# Altium PCB LOGTURTLE_APR_25_TX.PcbDoc (part 2 of 5)
Units mm, origin at the board's own origin, x right, y up, seen from the top; angles counter-clockwise.
Board outline 161.1 x 125.7 mm, 6 copper layers (Top Layer, Mid-Layer 1, Mid-Layer 2, Mid-Layer 3, Mid-Layer 4, Bottom Layer), stack 1.771 mm thick; 253 components, 174 nets, 811 pads, 5842 vias.
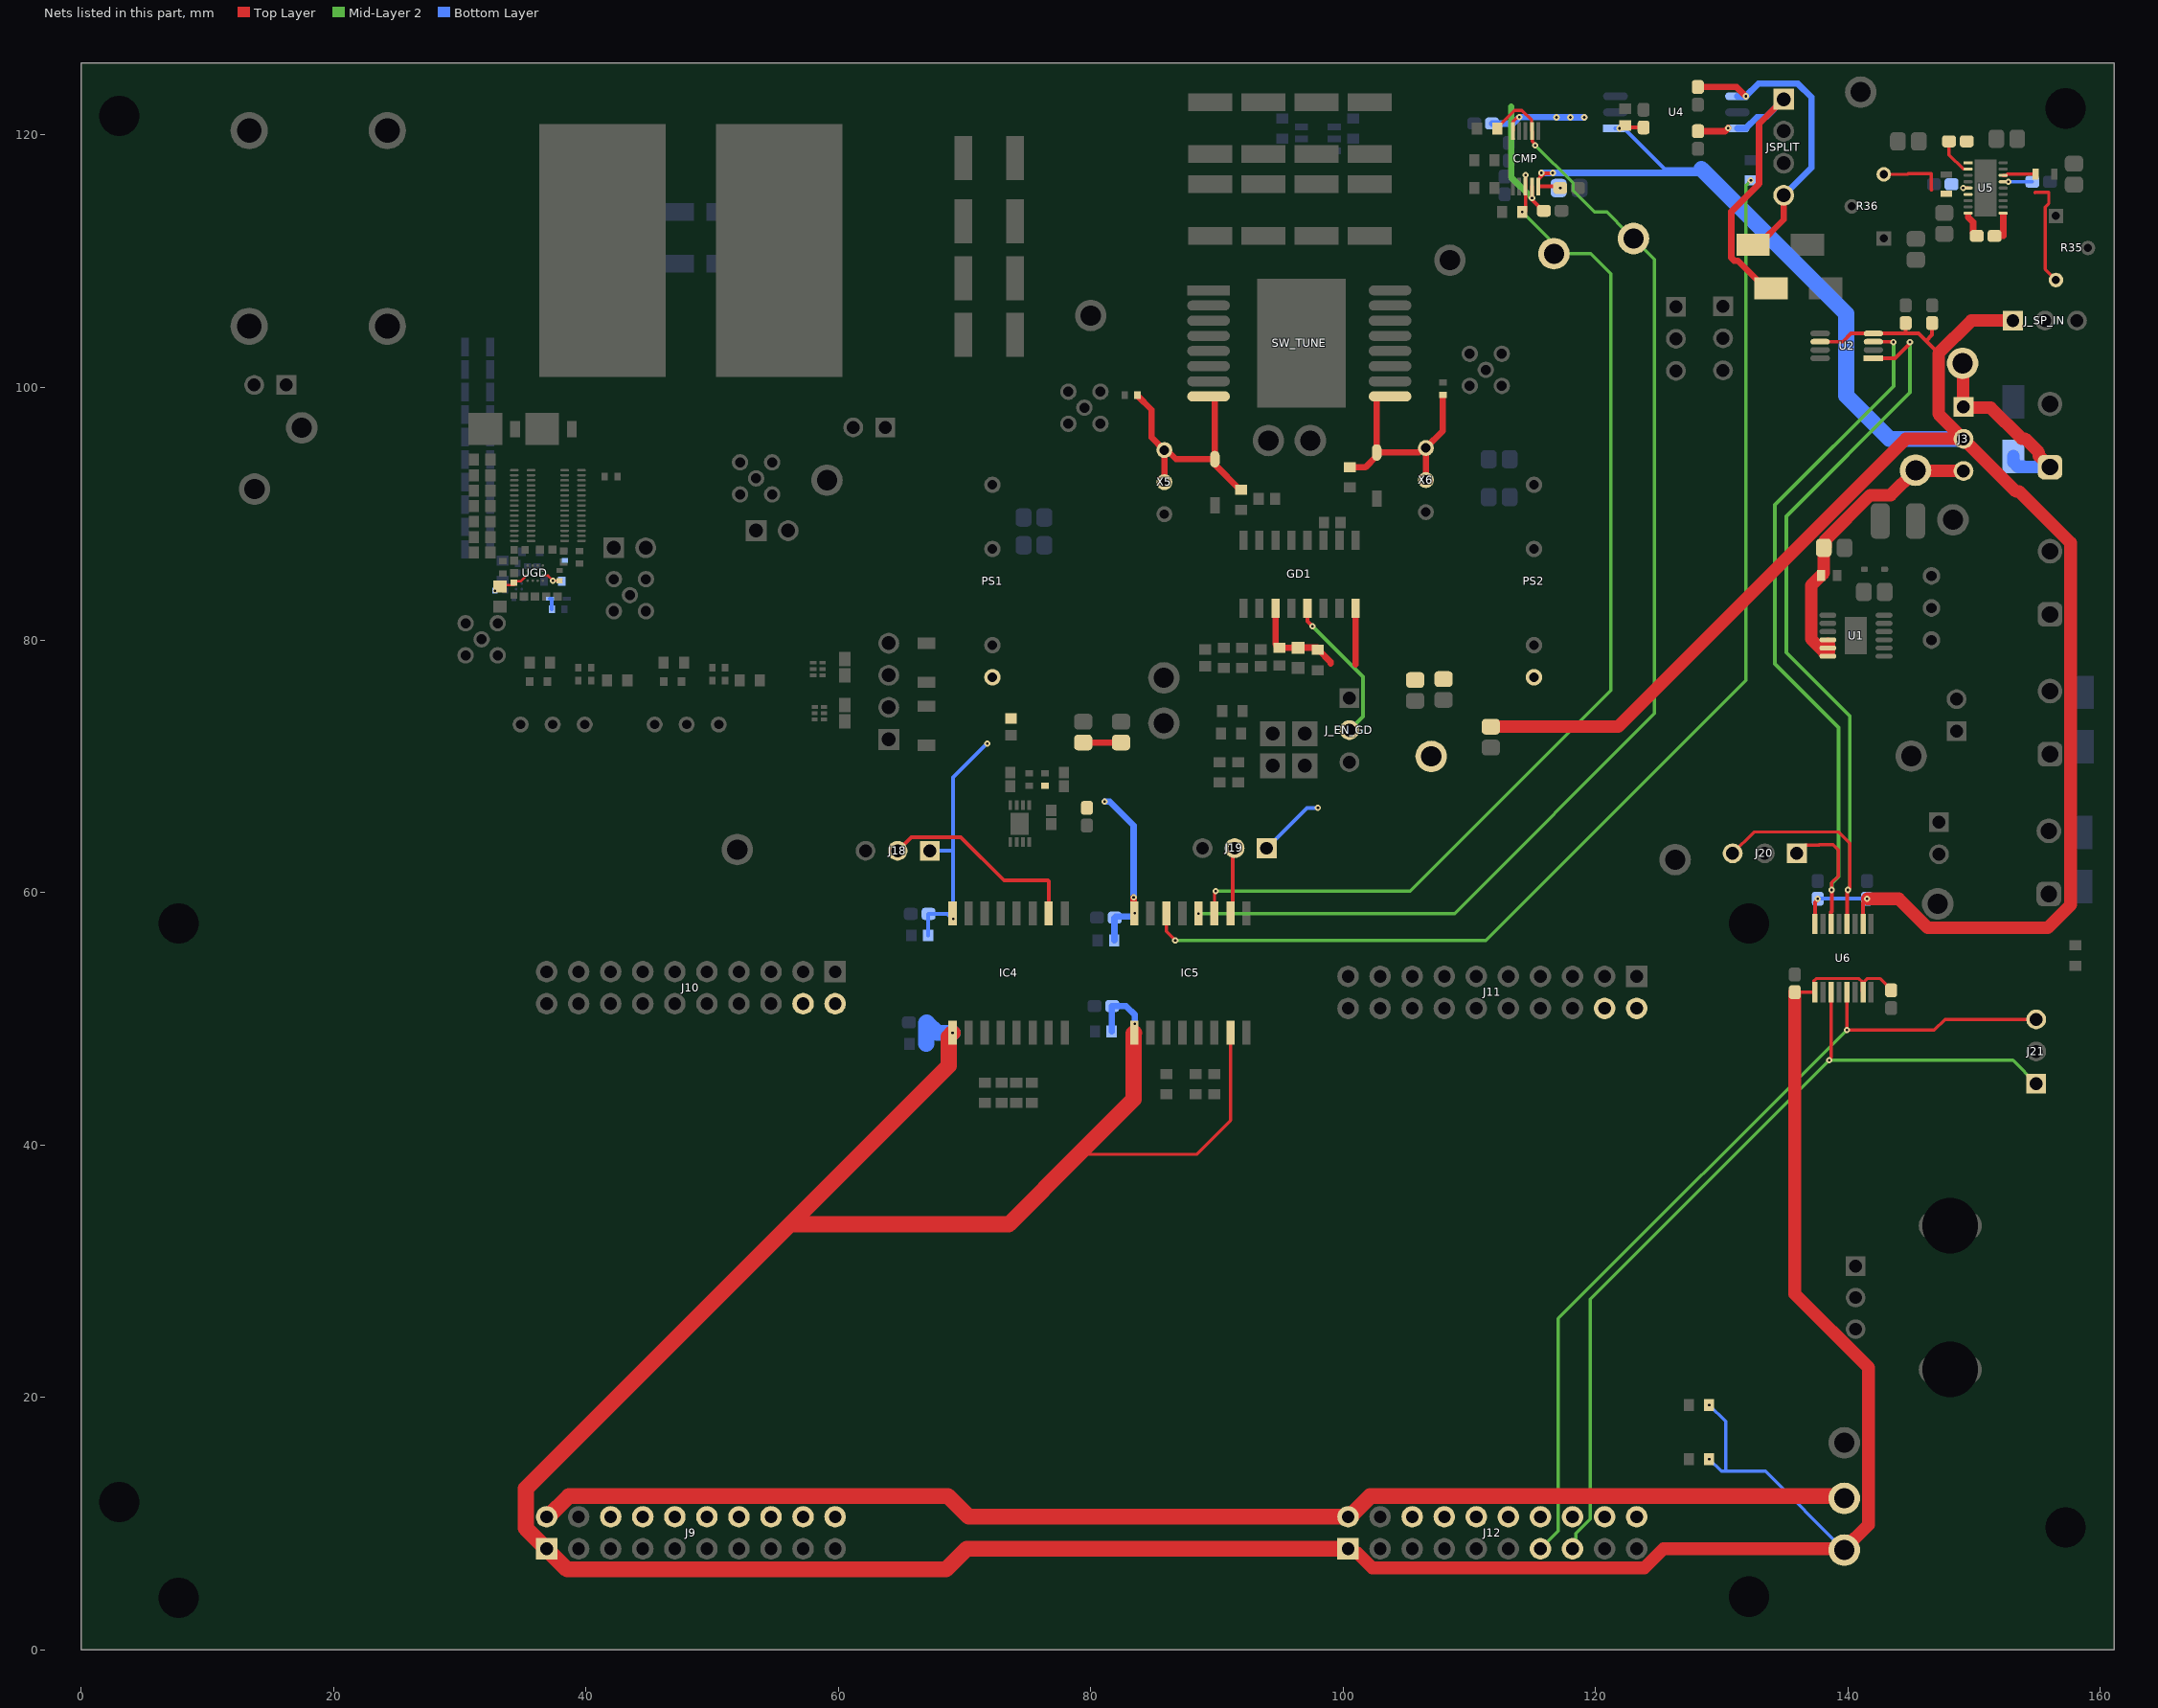
[diagram p6: the nets of this part, all layers, seen from the top]

## Part data (continued)
R9 R38 R48 R53: "Resistor, 10 kOhms ±1% 0.1W, 1/10W Chip Resistor 0603 (1608 Metric) Moisture Resistant Thick Film", Manufacturer_Name=YAGEO, Arrow Part Number=RC0603FR0710KL, Arrow Price/Stock=https://www.arrow.com/en/products/rc0603fr-0710kl/yageo, Datasheet Link=http://www.yageo.com/documents/recent/PYu-RC0603_51_RoHS_L_v5.pdf, Height=0.55mm, Manufacturer_Part_Number=RC0603FR0710KL
R10 R12 R16 R18 R20 R22 R27 R29 R31 R32 R54 R55: library part CMP-26527-007617-1, "RES 0 OHM JUMPER 1/16W 0402", Case Code (Imperial)=0402, Case Code (Metric)=1005, Current Rating=1A, Max Operating Temperature=155°C, Max Power Dissipation=63mW, Min Operating Temperature=-55°C, Resistance=0R, Resistor Type="Thick Film", Working Voltage=50V, Case/Package=0402, Construction=Rectangular, Contact Plating=Tin, Depth=0.5mm, Features="Automotive AEC-Q200", Height=0.016inch, Lead Free="Lead Free", Length=0.039inch, Military Standard=Not, Mount="Surface Mount", Number of Terminations=2, Packaging="Tape and Reel", Power Rating=63mW, Radiation Hardening=No, RoHS Compliant=Yes, Series=RMCF, Technology="THICK FILM", Width=0.02inch
R11: library part CMP-2002-00549-1, Manufacturer=Panasonic, Part Number=ERJ-2GEJ4R7X
R13: "Resistor, 27 kOhms ±1% 0.1W, 1/10W Chip Resistor 0603 (1608 Metric) Moisture Resistant Thick Film", Arrow Part Number=RC0603FR-07100KL, Manufacturer_Name=YAGEO, Mouser Part Number=603-RC0603FR-07100KL, Arrow Price/Stock=https://www.arrow.com/en/products/rc0603fr-07100kl/yageo?utm_currency=USD&region=europe, Datasheet Link=https://www.yageo.com/upload/media/product/productsearch/datasheet/rchip/PYu-RC_Group_51_RoHS_L_12.pdf, Height=0.55mm, Manufacturer_Part_Number=RC0603FR-07100KL, Mouser Price/Stock=https://www.mouser.co.uk/ProductDetail/YAGEO/RC0603FR-07100KL?qs=e1ok2LiJcmaihem8Va5%2Fsw%3D%3D
R14: library part CMP-26527-007420-1, "20Ω ±5% 0.063W 0402 Thick Film Chip Resistor AEC-Q200 compliant", Case Code (Imperial)=0402, Case Code (Metric)=1005, Max Operating Temperature=155°C, Max Power Dissipation=63mW, Min Operating Temperature=-55°C, Resistance=20R, Resistor Type="Thick Film", Temperature Coefficient=100ppm/°C, Tolerance=5%, Case/Package=0402, Construction=Rectangular, Contact Plating=Tin, Depth=0.5mm, Features="Automotive AEC-Q200", Height=0.016inch, Lead Free="Lead Free", Length=0.039inch, Military Standard=Not, Mount="Surface Mount", Number of Terminations=2, Packaging="Tape and Reel", Power Rating=63mW, Radiation Hardening=No, RoHS Compliant=Yes, Series=RMCF, Size Code=0402, Width=0.02inch
R17 R21: library part CMP-04015-036251-1, "10kΩ ±0.1% 0.125W, 1/8W Chip Resistor 1206 (3216 Metric) Moisture Resistant Thin Film", Case Code (Imperial)=1206, Case Code (Metric)=3216, Max Operating Temperature=125°C, Min Operating Temperature=-55°C, Power Rating=125mW, Resistance=10kR, Temperature Coefficient=10ppm/°C, Tolerance=0.1%, Voltage Rating=150V, Case/Package=1206, Composition="Thin Film", Height=0.6mm, Length=3.2mm, Packaging="Tape and Reel", Termination=SMD/SMT, Voltage Rating (DC)=150V, Weight=0.000571oz, Width=1.6mm
R23 R26: library part CMP-2002-00507-1, Manufacturer=Panasonic, Part Number=ERJ-2GEJ2R7X
R24 R25: "500 mOhms Â±1% 0.125W, 1/8W Chip Resistor 0402 (1005 Metric) Automotive AEC-Q200, Current Sense, Moisture Resistant Thick Film", Package="1005 Yageo", Availability=Bad, Check_prices=https://www.snapeda.com/parts/PT0402FR-7W0R5L/Yageo/view-part/1010867/?ref=eda, MF=Yageo, MP=PT0402FR-7W0R5L, Price=None, SnapEDA_Link=https://www.snapeda.com/parts/PT0402FR-7W0R5L/Yageo/view-part/1010867/?ref=snap
R33 R34 R37 R40 R42 R47 R50: "Resistor, 100 Ohms ±1% 0.1W, 1/10W Chip Resistor 0603 (1608 Metric) Moisture Resistant Thick Film", Manufacturer_Name=YAGEO, Mouser Part Number=603-RC0603FR-07100RL, Arrow Part Number=RC0603FR-07100RL, Arrow Price/Stock=https://www.arrow.com/en/products/rc0603fr-07100rl/yageo?region=europe, Datasheet Link=http://www.yageo.com/documents/recent/PYu-RC0603_51_RoHS_L_v5.pdf, Height=0.55mm, Manufacturer_Part_Number=RC0603FR-07100RL, Mouser Price/Stock=https://www.mouser.co.uk/ProductDetail/YAGEO/RC0603FR-07100RL?qs=NEN%2FsE%2FLsvPIwIWKCOS4%2FA%3D%3D
R35 R36: library part CMP-07234-000050-1, "TRIMMER 500KOHM 0.25W PC PIN TOP", Color=Blue, Max Operating Temperature=125°C, Max Power Dissipation=250mW, Min Operating Temperature=-55°C, Package Quantity=100, Resistance=500kR, Resistance Tolerance=10%, Resistor Type=Cermet, Temperature Coefficient=100ppm/°C, Voltage Rating=300V, Depth=4.5mm, Height=0.27inch, Lead Diameter=0.5mm, Lead Free="Lead Free", Length=6.71mm, Military Standard=Not, Mount="Through Hole", Number of Turns=12, Packaging=Rail/Tube, Power Rating=250mW, Radiation Hardening=No, REACH SVHC="No SVHC", RoHS Compliant=Yes, Series=3266, Technology=CERMET, Termination=Pin, Tolerance=10%, Type=Potentiometer, Voltage Rating (DC)=300V, Weight=0.015oz, Width=4.5mm
R41 R43: "Resistor, 100 kOhms ±1% 0.1W, 1/10W Chip Resistor 0603 (1608 Metric) Moisture Resistant Thick Film", Manufacturer_Name=YAGEO, Mouser Part Number=603-RC0603FR-07100KL, Arrow Part Number=RC0603FR-07100KL, Arrow Price/Stock=https://www.arrow.com/en/products/rc0603fr-07100kl/yageo?utm_currency=USD&region=europe, Datasheet Link=https://www.yageo.com/upload/media/product/productsearch/datasheet/rchip/PYu-RC_Group_51_RoHS_L_12.pdf, Height=0.55mm, Manufacturer_Part_Number=RC0603FR-07100KL, Mouser Price/Stock=https://www.mouser.co.uk/ProductDetail/YAGEO/RC0603FR-07100KL?qs=e1ok2LiJcmaihem8Va5%2Fsw%3D%3D
R45: "Resistor, 1 kOhms ±1% 0.1W, 1/10W Chip Resistor 0603 (1608 Metric) Moisture Resistant Thick Film", Manufacturer_Name=YAGEO, Mouser Part Number=603-RC0603FR-071KL, Arrow Part Number=RC0603FR-071KL, Arrow Price/Stock=https://www.arrow.com/en/products/rc0603fr-071kl/yageo?utm_currency=USD&region=nac, Datasheet Link=https://www.yageo.com/upload/media/product/productsearch/datasheet/rchip/PYu-RC_Group_51_RoHS_L_12.pdf, Height=0.55mm, Manufacturer_Part_Number=RC0603FR-071KL, Mouser Price/Stock=https://www.mouser.co.uk/ProductDetail/YAGEO/RC0603FR-071KL?qs=VU8sRB4EgwApHsk4rF%2F3zg%3D%3D
R56 R57: library part CMP-02407-013067-1, "RES SMD 50K OHM 0.02% 1/10W 0603", Case Code (Imperial)=0603, Case Code (Metric)=1608, Max Operating Temperature=125°C, Max Power Dissipation=100mW, Min Operating Temperature=-55°C, Resistance=50kR, Resistor Type="Thin Film", Temperature Coefficient=5ppm/°C, Tolerance=0.02%, Case/Package=0603, Features="Moisture Resistant", Number of Terminations=2, Packaging="Cut Tape"
SW_TUNE: "Renesas bidirection GaN switch /  / https://www.renesas.com/en/document/dst/tp65b110hru-datasheet?r=25610905"
U1: "20V, 500mA, Ultralow Noise, Ultrahigh PSRR Linear Regulator  https://www.digikey.ie/en/products/detail/analog-devices-inc/LT3045EMSE-PBF/6234771"
U2: library part CMP-09082-000102-1, "IC DAC 10BIT V-OUT 8MSOP", Case/Package=MSOP, Max Operating Temperature=70°C, Max Supply Voltage=5.5V, Min Operating Temperature=0°C, Min Supply Voltage=2.7V, Package Quantity=2500, Integral Nonlinearity (INL)=2LSB, Interface=Serial, Lead Free="Lead Free", Mount="Surface Mount", Number of Bits=10, Number Of Channels=2, Number of Converters=2, Number of Pins=8, Output Type=Voltage, Packaging="Tape and Reel", Resolution=10b, Settling Time=30us, Supply Type=Single
U3: library part CMP-0136-00281-1, "250 mA, 16V, Low Quiescent Current LDO Regulator, 8-Pin DFN, Extended Temperature, Tape and Reel", DatasheetVersion="revD, Sep-2009", PackageDescription="8-Lead Plastic Dual Flat, No Lead Package (MC) - 2x3x0.9mm Body [DFN]", PackageReference=DFN-MC8, PackageVersion="revBB, Aug-2009"
U4: library part CMP-09133-000053-1, "DGTL ISO 5KV 1CH GATE DRVR 6SOIC", Case/Package=SOIC, Max Operating Temperature=125°C, Max Output Current=2.3A, Min Operating Temperature=-40°C, Approvals=CSA, Mount="Surface Mount", Number Of Channels=1, Number of Pins=6, Packaging=Rail/Tube, Propagation Delay=79ns, Pulse Width Distortion (PWD)=16.5ns, RoHS Compliant=Yes, Series=iCoupler®
U5: library part CMP-09139-000695-1, "IC REG CHARGE PUMP INV 18DFN", Case/Package=DFN, Max Input Voltage=32V, Max Operating Temperature=150°C, Min Input Voltage=4.5V, Min Operating Temperature=-55°C, Output Current=100mA, Switching Frequency=500kHz, Mount="Surface Mount", Number Of Outputs=2, Number of Pins=18, Output Type=Fixed, Packaging=Rail/Tube, RoHS Compliant=Yes, Series=-, Synchronous Rectifier=No, Topology="Charge Pump"
U6: library part CMP-04872-000242-1, "DGTL ISO 3000VRMS 4CH GP 16SSOP", RoHS Compliant=Yes
VR1: library part 3296W-1-203LF, "Trimmer, Cermet, 0.5W, 20000ohm, 300V, 10% +/-Tol, 100ppm/Cel, 25 Turn(s) https://www.bourns.com/docs/product-datasheets/3296.pdf", Case/Package=3819, Manufacturer=Bourns, Max Operating Temperature=125°C, Min Operating Temperature=-55°C, Package Height=10.03mm, Package Length=9.53mm, Package Shape=Rectangular, Package Style="PCB MountMeter", Package Width=4.83mm, Power=500mW, Rated Temperature=70°C, Resistance Law=Linear, Resistor Type=TRIMMER, Supplier Part Number=3296W-203LF-ND, Temperature Coefficient=-100100ppm/°C, Tolerance=10%, Actuator Orientation=Vertical, Actuator Type=SCREW, Category="Variable Resistors and Potentiometers", ComponentLink1Description=https://datasheet.ciiva.com:443/pdfs/VipMasterIC/IC/BOUR/BOUR-S-A0008796795/BOUR-S-A0008796795-1.pdf?src-supplier=IHS+Markit, ComponentLink1URL=https://datasheet.ciiva.com:443/pdfs/VipMasterIC/IC/BOUR/BOUR-S-A0008796795/BOUR-S-A0008796795-1.pdf?src-supplier=IHS+Markit, ComponentLink2Description=https://datasheet.ciiva.com/14173/ew3296-dat-e-14173023.pdf?src-supplier=Distrelec, ComponentLink2URL=https://datasheet.ciiva.com/14173/ew3296-dat-e-14173023.pdf?src-supplier=Distrelec, ComponentLink3Description=https://datasheet.ciiva.com/15156/getdatasheetpartid-62506-15156343.pdf?src-supplier=Verical, ComponentLink3URL=https://datasheet.ciiva.com/15156/getdatasheetpartid-62506-15156343.pdf?src-supplier=Verical, Construction="Trimmer Pot", JESD-609 Code=e3, Lead Diameter=0.51mm, Lead Length=6.4mm, Manufacturer Part Number=3296W-1-203LF, Mounting Technology="Through Hole", Number of Turns=25, Packaging=Rail/Tube, Pins=3, Reach SVHC Compliant=No, RoHS=Yes, RoHS Compliant=Yes, Rotational Angle=9000°, Stock=2018, Supplier=Digikey, Technology=CERMET, Terminal Finish=Tin, Termination=Wire
X1 X2: "Variable Resistor, 1 kOhms 0.5W, 1/2W PC Pins Through Hole Trimmer Potentiometer Cermet 25.0 Turn Top Adjustment", Manufacturer_Name=Bourns, Arrow Price/Stock=https://www.arrow.com/en/products/3296w-1-200lf/bourns?utm_currency=USD&region=nac, Datasheet Link=https://componentsearchengine.com/Datasheets/2/3296W-1-200LF.pdf, Height=10.28mm, Mouser Price/Stock=https://www.mouser.co.uk/ProductDetail/Bourns/3296W-1-200LF?qs=R4%2FAj8xQbdUOcUUWJIVY1Q%3D%3D
X5 X6: "Variable Resistor", Manufacturer_Name=Bourns, Mouser Part Number=652-3296W-1-200LF, Arrow Part Number=3296W-1-200LF, Arrow Price/Stock=https://www.arrow.com/en/products/3296w-1-200lf/bourns?utm_currency=USD&region=nac, Datasheet Link=https://componentsearchengine.com/Datasheets/2/3296W-1-200LF.pdf, Height=10.28mm, Manufacturer_Part_Number=3296W-1-200LF, Mouser Price/Stock=https://www.mouser.co.uk/ProductDetail/Bourns/3296W-1-200LF?qs=R4%2FAj8xQbdUOcUUWJIVY1Q%3D%3D
Z1: "Zener Diode", Manufacturer_Name=Bourns, Mouser Part Number=652-CD0603-Z5V1, Datasheet Link=https://media.digikey.com/pdf/Data%20Sheets/Bourns%20PDFs/D0603_1005-Z.pdf, Height=0.85mm, Manufacturer_Part_Number=CD0603-Z5V1, Mouser Price/Stock=https://www.mouser.com/Search/Refine.aspx?Keyword=652-CD0603-Z5V1
C15 C16 C17 C18 C66 C67 C79 C_VR1 C_VR2: SimulationGenericComponent=True

## Free pads (board coordinates)
  round 1.6 hole 3.2 unplated mask+0.025: 42(7.726,4.127) 43(7.726,57.55) 44(3.041,11.7) 44(3.041,121.508) 44(132.159,57.55) 44(157.241,9.7) 44(157.241,122.108) 45(132.159,4.21)

## Via types
v1: diameter 0.35, hole 0.2, Top Layer to Bottom Layer, 5159 vias
v2: diameter 0.35, hole 0.2, Top Layer to Bottom Layer, tented both sides, 493 vias
v3: diameter 0.5, hole 0.2, Top Layer to Bottom Layer, 141 vias
v4: diameter 0.5, hole 0.2, Top Layer to Bottom Layer, tented both sides, 28 vias
v5: diameter 0.6, hole 0.2, Top Layer to Bottom Layer, tented both sides, 21 vias

## Nets (pads, with @x,y where several pads share a name; then routed paths per layer and width w, separated by ;. In a path a pad name is that pad's centre, name@x,y a point inside that pad or via, vN(x,y) a via of type N, cw(c..) or ccw(c..) an arc to the next point about the centre after c; other vN are vias at no path point)
4.7V: C26.2 C50.1 D2.2 D8.1 R29.1 UGD.A3 | length 3
  Top Layer w0.2: UGD.A3@36.59,85.1 37,85.1 v4(37.4,84.7) C50.1@37.75,84.7
  Bottom Layer w0.2: v4(37.4,84.7) 38.05,84.7 D2.2@38.1,84.65
  Bottom Layer w0.3: D8.1@37.15,83.275 37.3,83.275 R29.1@37.3,82.425
5VHS1: C47.1 R11.2 UGD.D3 Z1.1 | length 2.6
  Top Layer w0.2: Z1.1@33.2,84.225 33.325,84.35 34.3,84.35 34.45,84.5 34.45,84.65 34.83,84.65 35.28,85.1 UGD.D3@35.39,85.1
  other v2: 32.8,83.9
+20: C15.2 C17.2 CMP.9 D19.2 JSPLIT.1 U4.6 | length 35.9
  Top Layer w0.3: CMP.9@114.95,115.925 114.95,115.02 v3(114.967,115.003) 115.005,114.965 115.005,114.82 115.825,114 C15.2@115.9,114
  Top Layer w0.508: C17.2@128.113,120.3 130.25,120.3 v3(130.509,120.559) ; D19.2@133.91,107.845 133.46,107.845 131.264,110.041 130.982,110.041 130.746,110.277 130.746,113.935 132.944,116.133 132.944,120.884 JSPLIT.1@134.9,122.84
  Mid-Layer 2 w0.508: 113.306,122.237 113.306,116.664 v3(114.967,115.003)
  Bottom Layer w0.508: U4.6@131.231,120.53 131.897,120.53 132.777,121.41 133.47,121.41 JSPLIT.1@134.9,122.84
-20: C16.2 C18.2 CMP.5 D20.1 JSPLIT.4 U4.4 | length 33.6
  Top Layer w0.254: CMP.5@113.45,120.325 113.473,120.348 113.473,121.09 113.761,121.378 113.903,121.378 v3(113.95,121.425)
  Top Layer w0.508: C18.2@128.1,123.8 131.167,123.8 v3(131.897,123.07) ; D20.1@132.475,111.32 132.925,111.32 134.9,113.295 JSPLIT.4@134.9,115.22
  Bottom Layer w0.508: C16.2@111.792,120.912 113.462,120.912 v3@113.95,121.4 ; v3(113.95,121.425) 116.9,121.425 116.925,121.4 v3(118,121.4) v3(119.1,121.4) ; U4.4@131.231,123.07 v3(131.897,123.07) 132.896,124.069 136.031,124.069 137.1,123 137.1,117.42 JSPLIT.4@134.9,115.22
  other v3: 116.9,121.4
A14: J9.6
A15: J12.6
AA0: J9.20
AA1: J12.20
AA2: J9.18
AA3: J9.12
AA4: J12.18
AA5: J12.12
AB2: J9.16
AB3: J9.10
AB4: J12.16
AB5: J12.10
AC2: J9.14
AC3: J9.8
AC4: J12.14
AC5: J12.8
ADJ+: R35.3 R56.2 U5.16 | length 11.2
  Top Layer w0.254: U5.16@152.291,116.8 152.523,116.8 152.623,116.9 R56.2@154.85,116.9 ; 154.8,115.4 154.8,115.453 155.9,115.453 155.9,114.567 155.618,114.285 155.618,109.367 R35.3@156.47,108.515
ADJ-: R36.3 R57.2 U5.6 | length 5.1
  Top Layer w0.254: R36.3@142.83,116.885 144.714,116.885 144.776,116.947 146.594,116.947 146.594,115.65 146.65,115.65
AVDD5V: C4.2 C5.2 C6.2 C52.2 C53.2 C54.2 C61.2 C62.2 C72.2 C73.2 C76.2 C77.2 C78.2 C79.1 C80.2 C84.2 C85.2 C90.2 C91.2 C92.2 C93.2 CMP.10 GD1.3 GD1.8 IC4.16 IC5.16 J3.2 J18.1 J19.1 J_SP_IN.1 PS1.1 PS2.1 R10.1 R45.2 TP35.1 U2.4 U2.6 U4.1 U6.10 U6.16 | length 256.9
  Top Layer w0.3: IC5.16@83.455,58.325 v3(83.477,58.347) ; v3(115.7,117) 115.662,116.962 115.662,116.687 ; v3(116.6,117) 116.562,116.962 115.937,116.962 115.662,116.687 ; v3(117.2,115.8) 117.2,115.925 CMP.10@115.45,115.925 115.45,116.475 115.662,116.687 ; v3(121.903,120.53) 121.973,120.6 C61.2@123.8,120.6 ; U6.16@137.378,57.5 137.378,59.223 137.6,59.446 v3(137.6,59.5) ; U2.6@137.79,103.625 139.59,103.625 140.24,104.275 U2.4@142.01,104.275 144.562,104.275 ; U6.10@141.188,57.5 141.188,59.169 v3(141.513,59.494) ; C80.2@144.562,105.101 144.562,104.275 ; C78.2@146.662,105.101 146.662,104.162 146.187,103.687 ; 147.175,102.7 146.187,103.687 ; 144.562,104.275 145.6,104.275 146.187,103.687
  Top Layer w0.4: R10.1@76.375,68.45 R10.1@76.425,68.45
  Top Layer w0.5: C90.2@79.4,71.875 C91.2@82.4,71.875 ; GD1.3@94.631,82.505 94.631,79.693 94.71,79.614 94.71,79.514 94.85,79.374 C85.2@94.95,79.374 95.59,79.374 C84.2@96.4,79.374 ; C84.2@96.175,79.599 C84.2@96.4,79.374 ; R45.2@97.95,79.425 97.924,79.399 96.45,79.399 C84.2@96.425,79.374 ; R45.2@97.983,79.21 98.058,79.21 99,78.268 99,78.125 ; 100.975,78.05 100.981,78.056 GD1.8@100.981,82.505 ; C84.2@96.4,79.374 C84.2@96.425,79.374 ; C84.2@96.4,79.374 C84.2@96.425,79.374
  Top Layer w0.508: v3(83.4,59.6) 83.4,58.38 IC5.16@83.455,58.325
  Top Layer w1: C6.2@111.7,73.125 121.78,73.125 144.584,95.929 J3.2@149.148,95.929 ; v3(141.513,59.494) 144.019,59.494 146.319,57.194 155.809,57.194 157.625,59.01 157.625,87.698 153.564,91.759 153.318,91.759 J3.2@149.148,95.929 ; J_SP_IN.1@153.06,105.3 149.775,105.3 147.175,102.7 147.175,97.902 J3.2@149.148,95.929
  Bottom Layer w0.3: C53.2@67.11,56.589 67.13,56.61 67.13,58.28 C54.2@67.15,58.3 68.646,58.3 69.046,57.9 v3(69.1,57.9) 69.1,63.2 ; J18.1@67.24,63.3 69,63.3 69.1,63.2 ; v3(71.8,71.8) 69.1,69.1 69.1,63.2 ; J19.1@93.94,63.5 97.14,66.7 v3(98,66.7) ; U4.1@121.569,120.53 v3(121.903,120.53) 122.236,120.53 125.466,117.3 128.385,117.3 128.385,117 ; v3(137.6,59.5) C76.2@141.5,59.5 141.507,59.5 v3(141.513,59.494)
  Bottom Layer w0.508: v3(81.1,67.2) 81.5,67.2 83.4,65.3 v3(83.4,59.6) ; C72.2@81.86,56.189 81.88,56.209 81.88,57.98 C73.2@81.9,58 81.982,58.082 83.212,58.082 v3(83.477,58.347) ; v3(115.7,117) v3(116.6,117) 128.385,117
  Bottom Layer w1.27: 128.385,117.3 139.851,105.834 139.851,99.349 143.271,95.929 J3.2@149.148,95.929
AVDD5VEXT: D16.2 J3.1 J7.1 TP2.1 | length 16.1
  Top Layer w1: TP2.1@149.075,101.913 149.111,101.877 149.111,98.506 J3.1@149.148,98.469 ; J3.1@149.148,98.398 151.302,98.398 153.758,95.942 154.016,95.942 155.115,94.843 155.115,94.576 J7.1@156,93.691 156.077,93.613 J7.1@156.087,93.613
  Bottom Layer w1: D16.2@153.1,94.55 153.1,94.1 153.475,93.725 153.928,93.725 153.962,93.691 J7.1@156,93.691
AVDD5VREG: C3.2 J3.3 R1.2 TP7.1 U1.10 U1.11 U1.12 | length 24.1
  Top Layer w0.254: U1.12@138.372,78.738 U1.12@138.4,78.71
  Top Layer w1: 138.4,79.7 138.5,79.6 138.5,79.36 138.5,79.1 138.372,79.1 138.055,79.1 137.075,80.08 137.075,84.304 R1.2@137.871,85.1 138.075,85.304 C3.2@138.075,87.3 138.2,87.425 138.2,87.919 141.751,91.47 143.372,91.47 145.291,93.389 J3.3@149.148,93.389
  Bottom Layer w1: TP7.1@145.348,93.446 TP7.1@145.376,93.417 ; J3.3@149.12,93.417 J3.3@149.148,93.389
BYP+: C66.1 U5.15 | length 1.9
  Bottom Layer w0.254: v3(152.692,116.303) 152.694,116.302 C66.1@154.6,116.3 C66.1@154.6,116.3
BYP-: C67.1 U5.5 | length 0.4
  Top Layer w0.254: v3(149.118,115.8) U5.5@149.509,115.8
CBST+: CBST.1 U5.2 | length 3
  Top Layer w0.254: CBST.1@148,119.5 148,118.431 149.125,117.306 149.504,117.306 U5.2@149.509,117.3
CBST-: CBST.2 U5.1
CINV+: CINV.1 U5.10 | length 2.3
  Top Layer w0.508: CINV.1@151.6,112 152.3,112 152.3,113.6
CINV-: CINV.2 U5.9 | length 1.9
  Top Layer w0.508: 149.5,113.6 149.5,113.504 149.904,113.1 149.904,112.221 150.125,112 CINV.2@150.2,112
CMP1: CMP.2 IC5.12 R41.2 TP25.1 | length 98.6
  Top Layer w0.254: R41.2@112.2,120.5 112.2,120.575 113.567,121.942 114.164,121.942 114.927,121.179 114.927,120.348 CMP.2@114.95,120.325 114.973,120.302 114.973,119.497 115.2,119.27 v3(115.2,119.179)
  Mid-Layer 2 w0.254: v3(88.535,58.325) 108.825,58.325 124.663,74.163 124.663,110.137 123.491,111.309 122.509,111.309 122.509,112.291 120.892,113.908 119.911,113.908 118.233,115.586 118.233,116.166 115.221,119.179 v3(115.2,119.179)
CMP2: CMP.8 IC5.11 R43.2 TP26.1 | length 85
  Top Layer w0.254: IC5.11@89.805,58.325 89.805,60.005 v3(89.9,60.1) ; R43.2@114.45,113.925 CMP.8@114.45,115.925 v3(114.45,116.819) ; TP26.1@116.7,110.6 TP26.1@116.8,110.6
  Mid-Layer 2 w0.254: v3(89.9,60.1) 105.3,60.1 121.2,76 121.2,109 119.6,110.6 TP26.1@116.7,110.6 ; v3(114.2,113.9) TP26.1@117.1,111
CMP_EN: IC5.10 J19.2 | length 5.3
  Top Layer w0.3: IC5.10@91.075,58.325 91.237,58.487 91.237,63.337 J19.2@91.4,63.5
CMPRST_1: IC5.14 R37.1 | length 95.9
  Top Layer w0.254: IC5.14@85.995,58.325 85.995,56.905 v3(86.7,56.2)
  Mid-Layer 2 w0.254: v3(86.7,56.2) 111.3,56.2 131.9,76.8 131.9,116 v3(132.3,116.4)
CSLD: J20.3 U2.1 U6.12 | length 69.9
  Top Layer w0.254: J20.3@130.86,63.1 132.547,64.787 139.271,64.787 140.149,63.91 140.149,60.349 v3(140,60.2)
  Top Layer w0.3: U6.12@139.918,57.5 139.918,60.118 v3(140,60.2) ; U2.1@142.01,102.325 143.739,102.325 144.9,103.486 v3(144.9,103.6)
  Mid-Layer 2 w0.3: v3(140,60.2) 140.14,60.34 140.14,73.956 135.098,78.998 135.098,89.798 144.9,99.6 v3(144.9,103.6)
CSLD3V3: J12.13 J21.3 U6.5 | length 69.5
  Top Layer w0.254: U6.5@139.918,52.1 139.909,52.091 139.909,49.109 v3(139.9,49.1) 146.835,49.1 147.675,49.94 J21.3@154.9,49.94
  Mid-Layer 2 w0.254: J12.13@115.63,8.001 117.043,9.414 117.043,26.243 v3(139.9,49.1)
DAC1: J10.4 | length 0.7
  Mid-Layer 2 w0.254: J10.4@57.487,51.458 J10.4@57.21,51.181 J10.4@57.505,51.181
DAC2: J10.2
DAC3: J11.4
DAC4: J11.2
DIN: J20.1 U2.3 U6.14 | length 60.8
  Top Layer w0.254: J20.1@135.94,63.1 136.598,63.758 137.7,63.758 137.72,63.778 138.822,63.778 139.217,63.383 139.217,61.286 138.7,60.769 138.7,60.468
  Top Layer w0.3: U6.14@138.648,57.5 138.648,58.45 138.7,58.503 v3(138.7,60.2) ; U2.3@142.01,103.625 143.575,103.625 v3(143.6,103.6)
  Mid-Layer 2 w0.3: v3(138.7,60.2) 138.7,60.736 139.24,61.276 139.24,73.06 134.198,78.102 134.198,90.694 143.6,100.096 v3(143.6,103.6)
DIN3V3: J12.15 J21.1 U6.3 | length 69.7
  Top Layer w0.254: v3(138.5,46.7) 138.5,46.767 138.648,46.914 U6.3@138.648,52.1
  Mid-Layer 2 w0.254: J12.15@118.17,8.001 118.447,8.278 118.447,9.224 119.583,10.36 119.583,27.783 v3(138.5,46.7) 153.06,46.7 J21.1@154.9,44.86
DVDD3V3: C55.2 C60.2 C70.2 C71.2 C74.2 C75.2 IC4.1 IC5.1 IC5.7 J9.1 J12.1 R9.2 R38.2 TP6.1 U6.1 U6.7 | length 305
  Top Layer w0.254: 79.05,39.25 88.381,39.25 91.075,41.944 IC5.7@91.075,48.875 ; C75.2@135.786,52.098 137.375,52.098 U6.1@137.378,52.1 ; U6.1@137.378,51.505 U6.1@137.378,52.1 ; C74.2@143.414,52.242 143.414,52.317 142.554,53.177 141.503,53.177 141.266,52.94 141.266,52.178 U6.7@141.188,52.1 141.109,52.178 141.109,52.94 140.872,53.177 137.477,53.177 137.3,53 137.3,52.178 U6.1@137.378,52.1
  Top Layer w1.016: J12.1@100.39,8.001 100.732,7.659 101.139,7.659 102.305,6.493 123.875,6.493 125.377,7.995 139.605,7.995 TP6.1@139.7,7.9 139.7,8.007 141.608,9.915 141.608,22.365 135.786,28.188 C75.2@135.786,52.098
  Top Layer w1.27: v3(69.055,48.875) 68.745,48.565 68.745,46.272 56.186,33.714 ; IC5.1@83.455,48.875 83.4,48.82 83.4,43.6 79.05,39.25 73.514,33.714 56.186,33.714 ; J12.1@100.39,8.001 70.168,8.001 68.532,6.366 38.525,6.366 J9.1@36.89,8.001 35.255,9.636 35.255,12.782 56.186,33.714
  Bottom Layer w0.254: v3(129,15.1) 129.958,14.142 130.3,14.142 ; v3(129,19.4) 130.3,18.1 130.3,14.142 ; TP6.1@139.7,7.9 133.458,14.142 130.3,14.142
  Bottom Layer w0.508: C70.2@81.66,48.989 81.68,49.009 81.68,50.98 C71.2@81.7,51 82.8,51 83.5,50.3 v3(83.5,49.6)
  Bottom Layer w1.27: C55.2@66.96,47.989 66.96,49.66 C60.2@67,49.7 67.825,48.875 v3(69.055,48.875)
DVDD5V: J9.2 J12.2 TP3.1 | length 104.9
  Top Layer w1.27: J9.2@36.89,10.541 37.006,10.541 38.641,12.176 68.696,12.176 70.331,10.541 J12.2@100.39,10.541 100.506,10.541 102.141,12.176 139.524,12.176 TP3.1@139.7,12
EN: GD1.5 J_EN_GD.2 | length 12.9
  Top Layer w0.3: GD1.5@97.171,82.505 97.171,81.479 v3(97.575,81.075) ; GD1.5@97.195,82.074 97.23,82.109 97.23,83.039 GD1.5@97.265,83.074
  Mid-Layer 2 w0.3: v3(97.575,81.075) 101.575,77.075 101.575,73.945 J_EN_GD.2@100.49,72.86
EN_PWM: IC4.10 J18.2 | length 16.4
  Top Layer w0.3: J18.2@64.7,63.3 65.785,64.385 69.693,64.385 73.132,60.946 76.6,60.946 76.675,60.871 IC4.10@76.675,58.325
G1: D11.2 R44.2 R54.1 SW_TUNE.8 X5.2 X5.3 | length 20.4
  Top Layer w0.5: R54.1@83.7,99.4 83.7,99.35 84.815,98.235 84.815,96.054 X5.3@85.83,95.039 ; X5.2@85.83,92.499 X5.3@85.83,95.039 ; SW_TUNE.8@89.83,99.3 D11.2@89.83,94.324 ; R44.2@91.9,91.9 91.825,91.9 89.88,93.845 89.88,94.274 D11.2@89.83,94.324 ; X5.3@85.83,95.039 86.038,95.039 86.753,94.324 D11.2@89.83,94.324
G2: D12.2 R51.2 R55.1 SW_TUNE.9 X6.2 X6.3 | length 19.5
  Top Layer w0.5: R51.2@100.515,93.674 101.753,93.674 102.655,94.576 D12.2@102.655,94.849 ; SW_TUNE.9@103.714,99.291 102.793,99.291 102.655,99.152 D12.2@102.655,94.849 ; X6.2@106.547,92.67 X6.3@106.547,95.21 ; R55.1@107.9,99.35 107.9,96.563 X6.3@106.547,95.21 ; D12.2@102.655,94.849 105.977,94.849 106.338,95.21 X6.3@106.547,95.21